# Altium PCB 2CH_PM_Simulator.PcbDoc (part 2 of 4) (continued)
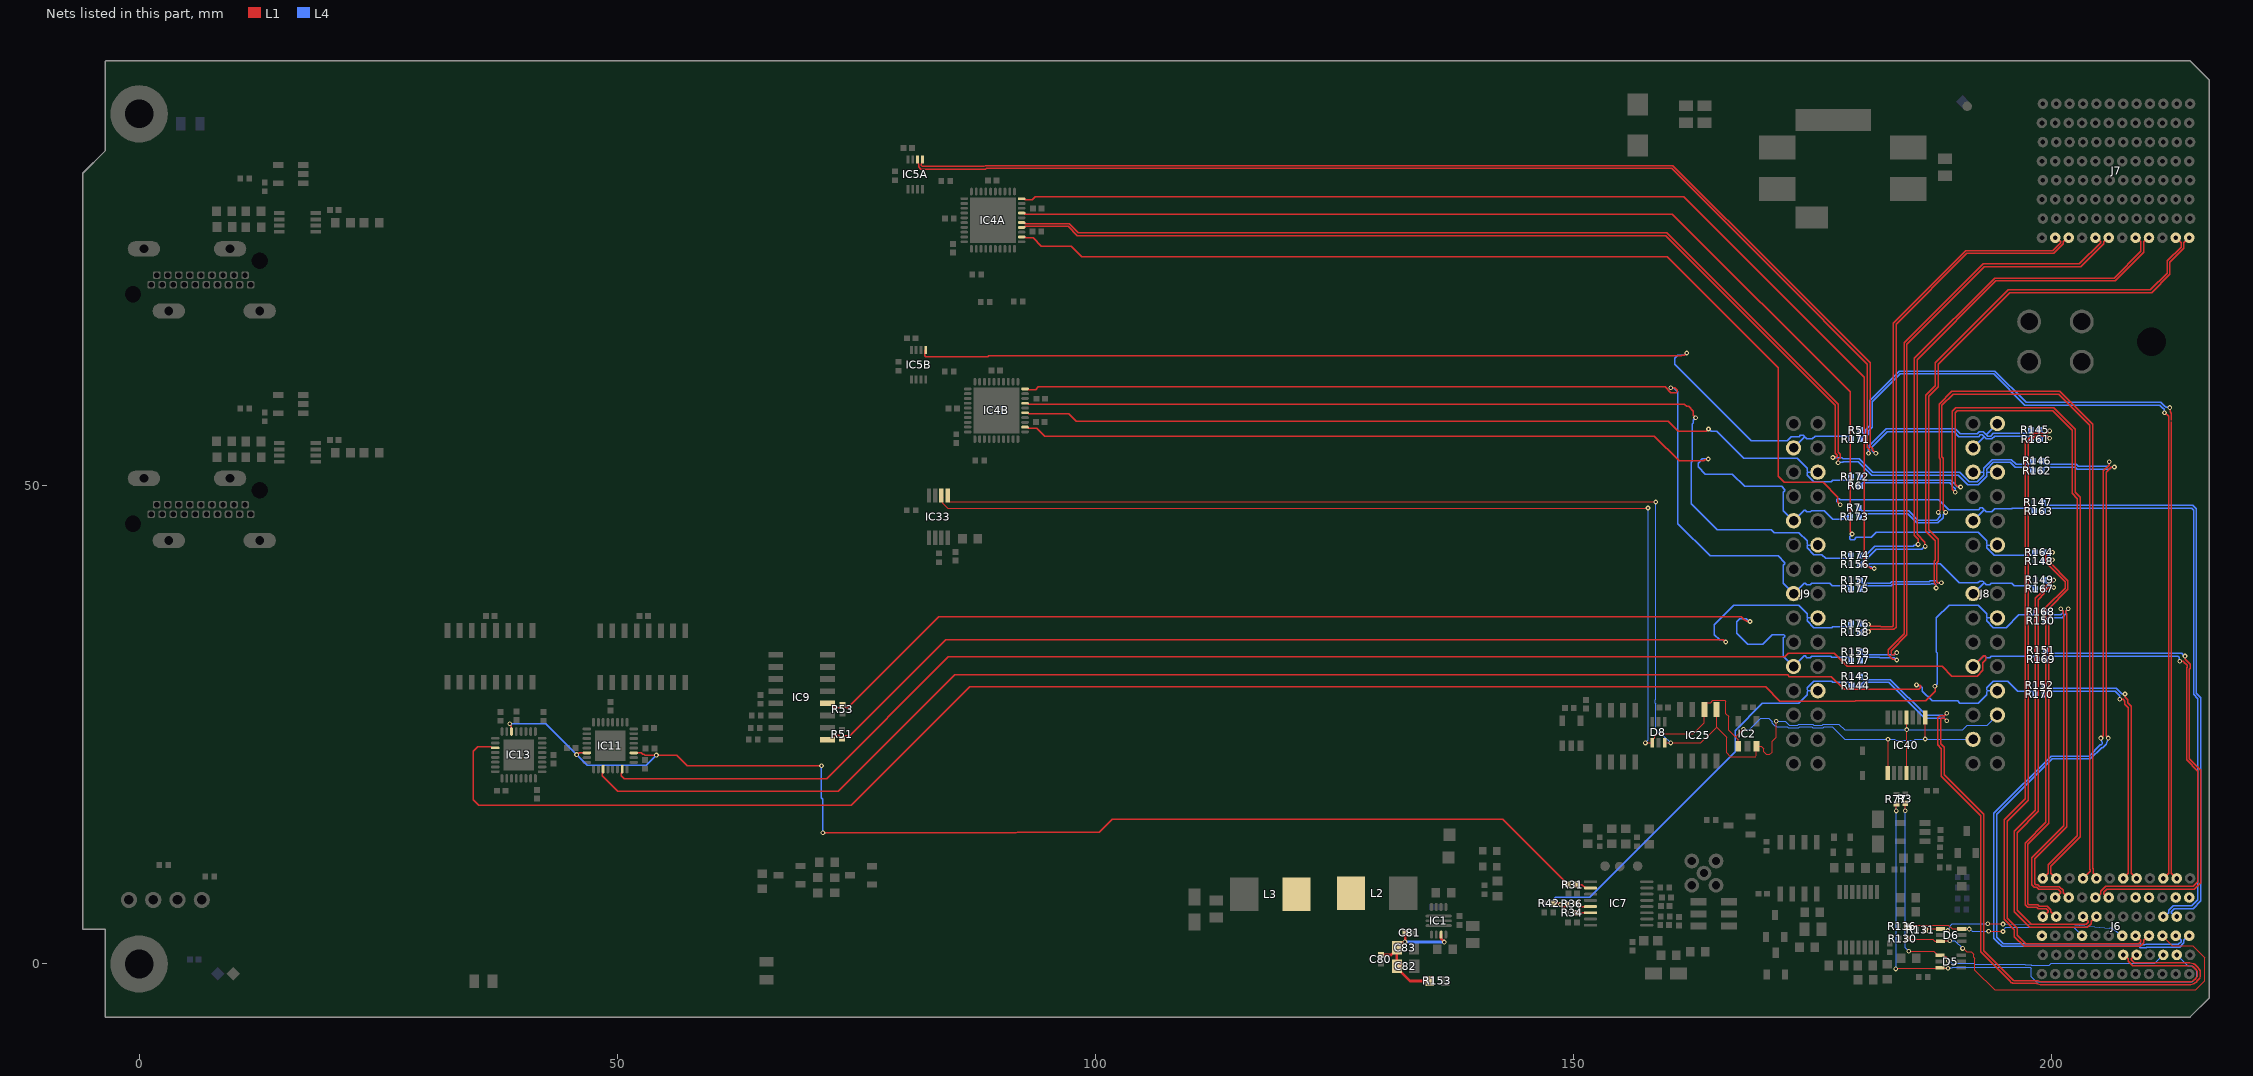
[diagram p4: the nets of this part, all layers, seen from the top]
## Part data (continued)
R119 R120: library part "R0805_10M_1%_0.125W_100PPM_VISHAY_CRCW e3", "Resistor - 1%", Case=0805, Manufacturer="VISHAY DALE", Manufacturer Part Number=CRCW080510M0FKEA, Power=0.125W, Tolerance=±1%, Author="CERN DEM BC", Component Type=Standard, ComponentHeight=0.5mm, CreateDate=2019-11-12, HelpURL="\\cern.ch\dfs\Applications\Altium\Datasheets\R0805_VISHAY_CRCW e3.pdf", LatestRevisionDate=2019-11-12, Mounted=Yes, Part Description="150V, Standard Thick Film Chip Resistor", Part Number="R0805_10M_1%_0.125W_100PPM_VISHAY_CRCW e3", Pin Count=2, PressFit=No, Sense=No, SMD=Yes, Socket=No, Status=None, TC=±100ppm/°C
R126: library part R0805_1M1_1%_0.125W_100PPM, "Resistor - 1%", Case=0805, Manufacturer=GENERIC, Manufacturer1 ComponentHeight=0.6mm, Manufacturer1 Example="NIC COMPONENT", Manufacturer1 Part Number=NRC10F1104TRF, Author="CERN DEM JLC", Component Type=Standard, CreateDate=03/12/2007, HelpURL=\\cern.ch\dfs\Applications\Altium\Datasheets\R0805_NIC_NRC.pdf, LatestRevisionDate=13/03/2008, Manufacturer Part Number=R0805_1M1_1%_0.125W_100PPM, Mounted=Yes, Part Description="General Purpose Thick Film Chip Resistor", Part Number=R0805_1M1_1%_0.125W_100PPM, Pin Count=2, PressFit=No, Sense=No, SMD=Yes, Socket=No, Status=Preferred
R153: library part R0603_38K3_0.1%_0.063W_10PPM, "Resistor - 0.1%", Case=0603, Manufacturer=GENERIC, Manufacturer1 ComponentHeight=0.5mm, Manufacturer1 Example="TYCO HOLSWORTHY", Manufacturer1 Part Number=RN73C1J38K3BTDF, Power=0.063W, Tolerance=±0.1%, Author="CERN DEM JLC", Component Type=Standard, CreateDate=03.12.2007, HelpURL=\\cern.ch\dfs\Applications\Altium\Datasheets\R0603_Tyco_RN73.pdf, LatestRevisionDate=13.03.2008, Manufacturer Part Number=R0603_38K3_0.1%_0.063W_10PPM, Mounted=Yes, Part Description="Thin Film Chip Resistor", Part Number=R0603_38K3_0.1%_0.063W_10PPM, Pin Count=2, PressFit=No, Sense=No, SMD=Yes, Socket=No, Status="Not Recommended", TC=±10ppm
R154: library part R0603_49K9_1%_0.1W_100PPM, "Resistor - 1%", Case=0603, Manufacturer=GENERIC, Manufacturer1 ComponentHeight=0.55mm, Manufacturer1 Example=VISHAY, Manufacturer1 Part Number=CRCW060349K9FKEA, Power=0.1W, Tolerance=±1%, Author="CERN DEM JLC", Component Type=Standard, CreateDate=16.11.2017, HelpURL="\\cern.ch\dfs\Applications\Altium\Datasheets\R0603_VISHAY_CRCW e3.pdf", LatestRevisionDate=16.11.2017, Manufacturer Part Number=R0603_49K9_1%_0.1W_100PPM, Mounted=Yes, Part Description="General Purpose Thick Film Chip Resistor", Part Number=R0603_49K9_1%_0.1W_100PPM, Pin Count=2, PressFit=No, Sense=No, SMD=Yes, Socket=No, Status=Preferred, TC=±100ppm/°C
R155: library part R0603_12K1_0.1%_0.063W_10PPM, "Resistor - 0.1%", Case=0603, Manufacturer=GENERIC, Manufacturer1 ComponentHeight=0.5mm, Manufacturer1 Example="TYCO HOLSWORTHY", Manufacturer1 Part Number=RN73C1J12K1BTDF, Power=0.063W, Tolerance=±0.1%, Author="CERN DEM JLC", Component Type=Standard, CreateDate=03.12.2007, HelpURL=\\cern.ch\dfs\Applications\Altium\Datasheets\R0603_Tyco_RN73.pdf, LatestRevisionDate=13.03.2008, Manufacturer Part Number=R0603_12K1_0.1%_0.063W_10PPM, Mounted=Yes, Part Description="Thin Film Chip Resistor", Part Number=R0603_12K1_0.1%_0.063W_10PPM, Pin Count=2, PressFit=No, Sense=No, SMD=Yes, Socket=No, Status="Not Recommended", TC=±10ppm
R225: library part R0402_1K_1%_0.0625W_100PPM, "Resistor - 1%", Case=0402, Manufacturer=GENERIC, Manufacturer1 ComponentHeight=0.4mm, Manufacturer1 Example="YAGEO PHYCOMP", Manufacturer1 Part Number=232270671002L, Power=0.0625W, Tolerance=±1%, Author="CERN DEM JLC", Component Type=Standard, CreateDate=03.12.2007, HelpURL=\\cern.ch\dfs\Applications\Altium\Datasheets\R0402_Phycomp_RC0402.pdf, LatestRevisionDate=17.10.2012, Manufacturer Part Number=R0402_1K_1%_0.0625W_100PPM, Mounted=Yes, Part Description="General Purpose Thick Film Chip Resistor", Part Number=R0402_1K_1%_0.0625W_100PPM, Pin Count=2, PressFit=No, Sense=No, SMD=Yes, Socket=No, Status="Not Recommended", TC=±100ppm/°C
T1 T2 T3 T4 T5 T6: "N-CHANNEL MOSFET WITH DIODE", Case=SOT23-3, Manufacturer="ON SEMICONDUCTOR", Manufacturer Part Number=BSS138L, Author="CERN DEM JLC", Bonding=No, Component Type=Standard, ComponentHeight=1.11mm, CreateDate=23.03.2009, Device=BSS138LT1G, HelpURL=\\cern.ch\dfs\Applications\Altium\Datasheets\BSS138LT1G.pdf, LatestRevisionDate=25.05.2022, Mounted=Yes, PackageDescription="SOT23, 0.95mm Pitch; 3 Pin, 1.40mm W X 3.00mm L X 1.10mm H body, IPC Medium Density", Part Description="50V, 200mA N-Channel Enhancement Mode Field-Effect Transistor", Part Number=BSS138LT1G, Pin Count=3, PressFit=No, Sense=No, SMD=Yes, Socket=No
TP2 TP3: library part SMD_PAD_1.27X1.27MM, "Test Point", Author="CERN DEM JLC", Component Type="Standard (No BOM)", ComponentHeight=0mm, CreateDate=12.01.2008, Family="Test Point", HelpURL=Undefined, LatestRevisionDate=12.01.2008, Mounted=No, PackageDescription="1.27mm x 1.27mm PCB Copper Area (SMD Test Point)", Part Description="1.27mm x 1.27mm PCB Copper Area (SMD Test Point)", Part Number=SMD_PAD_1.27X1.27MM, Pin Count=1, Sense=No, SMD=Yes, Socket=No, Status=None
TR1: library part XFMR_MINI-CIRCUITS_TCM2-1T, "50 Ohms 3 to 300MHz RF Transformer", Manufacturer=MINI-CIRCUITS, Manufacturer Part Number=TCM2-1T, Power=0.25W, Author="CERN DEM HF", Component Type=Standard, ComponentHeight=4.06mm, CreateDate=30.05.2023, HelpURL=\\cern.ch\dfs\Applications\Altium\Datasheets\XFMR_MINI-CIRCUITS_TCM2-1T.pdf, LatestRevisionDate=30.05.2023, Mounted=Yes, Part Description="50 Ohms 3 to 300MHz RF Transformer", Part Number=XFMR_MINI-CIRCUITS_TCM2-1T, Pin Count=6, Sense=No, SMD=Yes, Socket=No, Status=None

## Via types
v1: diameter 0.5, hole 0.25, L1 to L4, tented both sides, 491 vias
v2: diameter 1, hole 0.45, L1 to L4, tented both sides, 26 vias

## Nets (pads, with @x,y where several pads share a name; then routed paths per layer and width w, separated by ;. In a path a pad name is that pad's centre, name@x,y a point inside that pad or via, vN(x,y) a via of type N, cw(c..) or ccw(c..) an arc to the next point about the centre after c; other vN are vias at no path point)
3V3: C80.2 C81.2 C82.2 C83.2 IC1.6 L2.2 L3.1 R153.2 | length 15.4
  L1 w0.3: C80.2@129.845,0.933 130.916,0.933 C83.2@131.51,1.527 ; C81.2@132.417,3.277 132.388,3.248 132.388,2.34 v1(132.359,2.311) 132.321,2.273 132.082,2.273 132.06,2.252 131.885,2.252 131.51,1.877 C83.2@131.51,1.702 ; R153.2@134.963,-1.778 132.885,-1.778 131.536,-0.429 C82.2@131.536,-0.254 131.51,-0.229 C83.2@131.51,1.527 ; IC1.6@136.14,3.063 136.14,2.672 136.467,2.344 v1(136.467,2.29) ; C83.2@131.51,1.527 C83.2@131.51,1.702 ; C83.2@131.51,1.527 C83.2@131.51,1.702
  L4 w0.3: v1(132.359,2.311) 132.37,2.301 136.457,2.301 v1(136.467,2.29)
BGA0: D6.3 J6.C3 R130.2 | length 42.5
  L1 w0.125: R130.2@184.912,2.642 184.971,2.583 187.561,2.583 187.772,2.373 D6.3@188.384,2.373 188.45,2.438 v1(189.332,2.438) ; v1(190.678,1.626) 190.755,1.626 191.11,1.27 191.225,1.27 191.232,1.278 191.596,1.278 191.854,1.02 191.854,0.703 191.973,0.584 191.973,-0.635 194.024,-2.685 208.768,-2.685 208.793,-2.71 215.044,-2.71 216.007,-1.748 216.007,0.655 214.757,1.905 212.614,1.905 J6.C3@211.569,2.95
  L4 w0.125: v1(189.332,2.438) 189.337,2.433 189.871,2.433 v1(190.678,1.626)
BGA1: D6.1 J6.F3 R131.2 | length 21.4
  L1 w0.125: R131.2@186.779,3.556 186.896,3.673 D6.1@188.384,3.673 188.521,3.535 189.101,3.535 v1(189.135,3.501) ; v1(193.318,4.2) 193.336,4.183 194.887,4.183 v1(194.905,4.166)
  L4 w0.125: v1(189.135,3.501) 189.135,3.602 189.372,3.839 189.372,3.971 189.592,4.191 193.309,4.191 v1(193.318,4.2) ; v1(194.905,4.166) 202.386,4.089 202.391,4.089 206.041,3.759 cw(c205.969,2.95) 206.441,3.612 J6.F3@207.369,2.95
BGA2: D6.6 J6.I3 R136.2 | length 19.4
  L1 w0.125: R136.2@184.849,3.937 185.352,3.937 185.477,4.062 189.196,4.062 189.585,3.673 D6.6@190.584,3.673 190.607,3.65 v1(191.364,3.65) ; v1(193.396,3.429) 193.408,3.416 194.879,3.416 v1(194.905,3.391)
  L4 w0.125: v1@191.435,3.722 v1(191.364,3.65) 191.451,3.65 191.672,3.429 v1(193.396,3.429) ; v1(194.905,3.391) 195.128,3.764 195.201,3.837 202.282,3.837 J6.I3@203.169,2.95
BGA3: J6.L3
BP_I2C.SCL: D5.3 J6.B2 R77.1 | length 53.7
  L1 w0.125: v1(183.69,-0.519) 183.752,-0.457 188.272,-0.457 D5.3@188.333,-0.396 188.376,-0.439 v1(189.15,-0.439) ; v1(183.744,16.002) R77.1@183.744,16.777
  L4 w0.125: v1(183.69,-0.519) 183.718,-0.491 183.718,15.977 v1(183.744,16.002) ; v1(189.15,-0.439) 189.171,-0.418 189.588,-0.418 189.65,-0.356 191.174,-0.356 191.207,-0.322 191.571,-0.322 191.604,-0.356 197.739,-0.356 197.866,-0.483 197.866,-1.355 198.374,-1.863 214.706,-1.863 215.182,-1.387 215.182,-0.713 214.706,-0.238 214.69,-0.238 214.655,-0.203 214.222,-0.203 J6.B2@213.069,0.95
BP_I2C.SDA: D5.1 J6.C2 R3.1 | length 43.4
  L1 w0.125: v1(184.683,16.027) R3.1@184.683,16.802 ; v1(185.039,1.321) 187.641,1.321 188.058,0.904 D5.1@188.333,0.904 188.42,0.817 188.921,0.817 189.009,0.729 189.009,0.613 189.185,0.437 v1(189.185,0.335)
  L4 w0.125: v1(184.683,16.027) 184.696,16.015 184.696,1.685 185.039,1.342 v1(185.039,1.321) ; v1(189.185,0.335) 189.286,0.335 189.545,0.076 189.662,0.076 191.82,0.076 191.945,-0.049 197.173,-0.049 197.224,-0.1 197.839,-0.1 197.854,-0.115 199.761,-0.115 199.952,0.076 210.795,0.076 J6.C2@211.669,0.95
BP_IO.LVDS_N0: J6.E3 R161.1 | length 70.9
  L1 w0.14: v1(199.771,54.966) 199.746,54.966 199.509,55.203 199.018,55.203 198.999,55.222 198.318,55.222 197.531,54.435 197.531,17.14 195.326,14.935 195.326,4.801 196.401,3.726 196.401,2.992 197.263,2.13 209.109,2.13 209.319,2.34 209.319,2.456 208.825,2.95 J6.E3@208.769,2.95
  L4 w0.14: R161.1@198.819,54.889 199.039,55.109 199.039,55.153 199.121,55.235 199.477,55.235 199.746,54.966 v1(199.771,54.966)
BP_IO.LVDS_N1: J6.B3 R162.1 | length 85.5
  L1 w0.14: v1(205.918,23.622) 205.918,23.647 205.68,23.884 205.68,51.432 206.2,51.951 206.535,51.951 v1(206.553,51.968)
  L4 w0.14: 194.586,2.493 194.259,2.819 194.259,15.646 194.586,15.973 ; 194.586,2.492 194.588,2.491 194.949,2.13 209.273,2.13 209.396,2.007 209.742,2.007 209.805,2.07 213.249,2.07 213.519,2.34 213.519,2.456 213.025,2.95 J6.B3@212.969,2.95 ; 194.586,15.974 200.05,21.438 204.031,21.438 205.216,22.622 205.344,22.622 205.605,22.883 205.687,22.965 v1(205.918,23.622) ; R162.1@198.946,51.587 199.166,51.807 199.166,51.863 199.248,51.945 202.454,51.945 202.643,51.756 206.005,51.756 206.2,51.951 206.535,51.951 v1(206.553,51.968)
BP_IO.LVDS_N2: J6.C4 R163.1 | length 61.4
  L4 w0.14: R163.1@199.098,47.346 199.318,47.566 199.318,47.589 199.4,47.671 206.809,47.671 206.814,47.666 214.63,47.666 214.833,47.462 214.833,28.183 215.289,27.727 215.289,6.71 214.649,6.07 212.69,6.07 212.219,5.599 212.219,5.359 211.81,4.95 J6.C4@211.669,4.95
BP_IO.LVDS_N3: J6.L4 R164.1 | length 44.7
  L1 w0.14: J6.L4@199.069,4.95 199.125,4.95 199.619,5.444 199.619,5.56 199.422,5.757 198.578,5.757 198.417,5.918 197.468,5.918 197.21,6.176 197.21,12.646 199.38,14.816 199.38,37.277 201.397,39.294 201.397,39.958 199.355,41.999 199.355,42.703 199.624,42.972 200.007,42.972 v1(200.076,43.041)
  L4 w0.14: R164.1@199.149,43.053 199.149,43.033 199.449,42.733 199.744,42.733 200.051,43.041 v1(200.076,43.041)
BP_IO.LVDS_N4: J6.I4 R167.1 | length 45.9
  L1 w0.14: v1(200.203,39.363) v1(200.203,39.363) 199.673,39.362 199.238,38.928 199.238,38.74 198.598,38.1 198.598,15.972 196.367,13.741 196.367,5.611 197.848,4.13 203.609,4.13 203.819,4.34 203.819,4.456 203.325,4.95 J6.I4@203.269,4.95
  L4 w0.14: R167.1@199.2,39.218 199.2,39.238 199.499,39.538 199.824,39.538 ; 199.825,39.538 199.941,39.538 200.115,39.363 v1(200.203,39.363)
BP_IO.LVDS_N5: J6.K5 R168.1 | length 37.2
  L1 w0.14: J6.K5@200.369,6.95 200.425,6.95 200.919,7.444 200.919,7.56 200.68,7.799 198.637,7.799 198.434,8.001 198.179,8.001 197.922,8.259 197.922,11.122 201.27,14.47 201.27,36.505 201.177,36.598 201.177,36.873 200.939,37.11 v1(200.939,37.135)
  L4 w0.14: R168.1@199.327,36.83 199.327,36.81 199.626,36.51 200.965,36.51 201.177,36.722 201.177,36.873 200.939,37.11 v1(200.939,37.135)
BP_IO.LVDS_N6: J6.H5 R169.1 | length 50.2
  L1 w0.14: J6.H5@204.569,6.95 204.71,6.95 205.119,7.359 205.119,7.599 205.643,8.123 214.802,8.123 215.289,8.61 215.289,20.154 214.097,21.346 214.097,30.968 214.162,31.034 214.162,31.216 213.942,31.436 213.933,31.436 213.739,31.631 213.403,31.631 v1(213.385,31.648)
  L4 w0.14: R169.1@199.377,31.852 199.377,31.872 199.677,32.172 212.616,32.172 212.634,32.19 213.177,32.19 213.317,32.05 213.317,31.717 v1(213.385,31.648)
BP_IO.LVDS_N7: J6.F6 R170.1 | length 28.1
  L1 w0.14: v1(207.114,27.688) 207.131,27.671 207.467,27.671 207.648,27.49 207.648,27.18 208.019,26.809 208.019,18.508 208.019,9.5 J6.F6@207.469,8.95
  L4 w0.14: R170.1@199.2,28.194 199.2,28.214 199.499,28.514 206.624,28.514 207.096,28.041 207.096,27.705 v1(207.114,27.688)
BP_IO.LVDS_N8: J6.C6 R171.1 | length 87.4
  L1 w0.14: J6.C6@211.669,8.95 212.219,9.5 212.219,32.808 212.219,56.842 212.219,57.253 211.84,57.633 v1(211.785,57.633)
  L4 w0.14: R171.1@179.972,54.889 179.972,54.909 180.272,55.209 180.596,55.209 180.854,55.467 180.854,55.736 181.254,56.137 181.254,58.776 184.175,61.697 193.937,61.697 197.188,58.445 211.277,58.445 211.63,58.093 211.661,58.093 211.768,57.986 211.768,57.65 v1(211.785,57.633)
BP_IO.LVDS_N9: J6.L6 R172.1 | length 81
  L1 w0.14: v1(190.464,49.875) 190.395,49.944 190.115,49.944 189.889,50.17 189.889,57.656 190.094,57.861 200.101,57.861 202.159,55.804 202.159,49.203 202.692,48.669 202.692,13.429 199.619,10.356 199.619,9.5 J6.L6@199.069,8.95
  L4 w0.14: R172.1@179.946,50.927 179.946,50.907 180.246,50.607 189.452,50.607 189.9,50.159 189.9,50.103 190.111,49.892 190.446,49.892 v1(190.464,49.875)
BP_IO.LVDS_N10: J6.I6 R173.1 | length 86.6
  L1 w0.14: v1(188.9,47.219) 188.9,47.243 188.662,47.481 188.662,52.891 188.512,53.041 188.512,58.414 189.687,59.588 200.711,59.588 203.967,56.332 203.967,9.907 204.038,9.835 204.038,9.719 J6.I6@203.269,8.95
  L4 w0.14: R173.1@179.845,46.761 180.065,46.981 180.065,47.002 180.147,47.084 182.407,47.084 182.41,47.081 184.923,47.081 185.882,46.123 188.104,46.123 188.662,46.681 188.662,46.957 188.9,47.194 v1(188.9,47.219)
BP_IO.LVDS_N11: J7.E1 R174.1 | length 56.4
  L1 w0.14: v1(186.022,43.878) 186.029,43.885 186.029,44.408 185.628,44.809 185.628,63.319 194.038,71.73 206.525,71.73 209.319,74.524 209.319,75.263 209.319,75.503 208.872,75.95 J7.E1@208.769,75.95
  L4 w0.14: R174.1@179.934,42.723 180.136,42.521 180.352,42.521 181.503,43.672 185.492,43.672 185.628,43.809 185.953,43.809 v1(186.022,43.878)
BP_IO.LVDS_N12: J7.B1 R175.1 | length 65.8
  L1 w0.14: v1(187.909,39.319) 187.892,39.337 187.892,39.672 187.697,39.867 187.697,42.101 187.836,42.24 187.836,44.277 186.847,45.266 186.847,59.484 187.836,60.473 187.836,62.86 195.461,70.485 210.312,70.485 212.065,72.238 212.065,73.517 213.519,74.971 213.519,75.4 J7.B1@212.969,75.95
  L4 w0.14: R175.1@179.946,39.218 179.946,39.238 180.234,39.525 183.222,39.525 183.389,39.692 187.311,39.692 187.399,39.779 187.785,39.779 187.892,39.672 187.892,39.337 v1(187.909,39.319)
BP_IO.LVDS_N13: J7.K1 R176.1 | length 57.3
  L1 w0.14: v1(180.823,35.535) 180.847,35.535 181.085,35.297 182.106,35.297 182.125,35.278 183.336,35.278 183.418,35.36 183.418,67.002 191.011,74.595 200.089,74.595 200.919,75.425 200.919,75.541 200.51,75.95 J7.K1@200.369,75.95
  L4 w0.14: R176.1@179.946,35.585 179.946,35.565 180.215,35.297 180.561,35.297 180.798,35.535 v1(180.823,35.535)
BP_IO.LVDS_N14: J7.H1 R177.1 | length 64.2
  L1 w0.14: v1(183.794,31.788) 183.726,31.857 183.36,31.857 182.902,32.315 182.902,32.868 184.561,34.528 184.561,64.945 192.814,73.198 202.892,73.198 205.119,75.425 205.119,75.541 204.71,75.95 J7.H1@204.569,75.95
  L4 w0.14: R177.1@179.972,31.75 179.972,31.77 180.259,32.057 182.003,32.057 182.035,32.025 183.532,32.025 183.77,31.788 v1(183.794,31.788)
BP_IO.LVDS_N15: J6.F2 R144.2 | length 70.7
  L1 w0.14: v1(189.027,25.438) 189.002,25.438 188.765,25.675 188.456,25.675 188.383,25.602 188.383,23.023 188.766,22.64 188.766,19.761 192.882,15.645 192.882,8.751 192.872,8.742 192.872,4.386 192.871,4.385 192.871,4.015 192.872,4.014 192.872,1.387 195.862,-1.603 ; 195.863,-1.604 195.95,-1.691 ccw(c196.049,-1.592) 196.049,-1.732 198.396,-1.732 cw(c198.396,-2.172) 198.595,-1.78 ; 198.596,-1.78 ccw(c198.969,-1.05) 198.969,-1.87 214.369,-1.87 ccw(c214.369,-1.05) 214.998,-1.576 215.112,-1.44 215.182,-1.357 ccw(c215.074,-1.267) 215.214,-1.267 215.214,-0.787 ccw(c215.074,-0.787) 215.173,-0.688 215.086,-0.601 ; J6.F2@207.469,0.95 207.61,0.95 208.019,0.541 208.019,0.301 208.493,-0.173 214.33,-0.173 214.718,-0.262 cw(c214.686,-0.399) 214.784,-0.299 215.085,-0.6
  L4 w0.14: R144.2@179.997,29.108 180.217,29.328 180.217,29.362 180.299,29.444 182.977,29.444 186.736,25.684 188.481,25.684 188.49,25.675 188.765,25.675 189.002,25.438 v1(189.027,25.438)
BP_IO.LVDS_P0: J6.D3 R145.1 | length 72.4
  L1 w0.14: v1(199.771,55.741) 199.746,55.741 199.509,55.503 199.142,55.503 199.123,55.522 198.194,55.522 197.231,54.559 197.231,17.264 195.026,15.059 195.026,4.676 196.101,3.602 196.101,2.868 197.139,1.83 209.233,1.83 209.619,2.216 209.619,2.456 210.113,2.95 J6.D3@210.169,2.95
  L4 w0.14: R145.1@198.755,55.855 198.755,55.835 199.055,55.535 199.509,55.535 199.714,55.741 v1(199.771,55.741)
BP_IO.LVDS_P1: J6.A3 R146.1 | length 86.5
  L1 w0.14: v1(205.143,23.622) 205.143,23.647 205.38,23.884 205.38,51.556 205.987,52.163 205.987,52.499 v1(206.005,52.516)
  L4 w0.14: 194.374,2.281 193.959,2.695 193.959,15.771 194.374,16.185 ; 194.374,2.28 194.824,1.83 209.149,1.83 209.272,1.707 209.866,1.707 209.929,1.77 213.373,1.77 213.819,2.216 213.819,2.456 214.313,2.95 J6.A3@214.369,2.95 ; 194.374,16.186 199.926,21.738 203.906,21.738 205.091,22.922 205.207,22.922 205.289,23.004 205.289,23.12 v1(205.143,23.622) ; R146.1@198.946,52.603 199.166,52.383 199.166,52.327 199.248,52.245 202.579,52.245 202.768,52.056 205.881,52.056 205.987,52.163 205.987,52.499 v1(206.005,52.516)
BP_IO.LVDS_P2: J6.B4 R147.1 | length 61.9
  L4 w0.14: R147.1@199.073,48.285 199.073,48.265 199.367,47.971 206.933,47.971 206.938,47.965 214.754,47.965 215.133,47.587 215.133,28.307 215.589,27.851 215.589,6.586 214.773,5.77 212.814,5.77 212.519,5.475 212.519,5.359 212.928,4.95 J6.B4@213.069,4.95
BP_IO.LVDS_P3: J6.K4 R148.1 | length 43.5
  L1 w0.14: v1(200.076,42.266) 200.007,42.334 200.007,42.12 199.891,42.004 199.891,41.888 201.697,40.082 201.697,39.17 199.68,37.153 199.68,14.691 197.51,12.522 197.51,6.3 197.592,6.218 198.541,6.218 198.702,6.057 199.546,6.057 199.919,5.684 199.919,5.444 200.413,4.95 J6.K4@200.469,4.95
  L4 w0.14: R148.1@199.149,42.113 199.149,42.133 199.449,42.433 199.814,42.433 199.981,42.266 v1(200.076,42.266)
BP_IO.LVDS_P4: J6.H4 R149.1 | length 47.7
  L1 w0.14: v1(200.212,40.138) 200.194,40.138 199.878,39.822 199.708,39.822 198.938,39.052 198.938,38.865 198.298,38.224 198.298,16.096 196.067,13.866 196.067,5.486 197.724,3.83 203.733,3.83 204.119,4.216 204.119,4.456 204.613,4.95 J6.H4@204.669,4.95
  L4 w0.14: R149.1@199.2,40.157 199.2,40.137 199.499,39.837 199.7,39.837 ; 199.7,39.838 199.888,39.838 200.188,40.138 v1(200.212,40.138)
BP_IO.LVDS_P5: J6.J5 R150.1 | length 37.6
  L1 w0.14: v1(201.714,37.135) 201.714,37.11 201.477,36.873 201.477,36.722 201.57,36.629 201.57,14.346 198.222,10.998 198.222,8.383 198.304,8.301 198.558,8.301 198.761,8.099 200.804,8.099 201.219,7.684 201.219,7.444 201.713,6.95 J6.J5@201.769,6.95
  L4 w0.14: R150.1@199.327,35.89 199.327,35.91 199.626,36.21 201.089,36.21 201.477,36.598 201.477,36.873 201.714,37.11 v1(201.714,37.135)
BP_IO.LVDS_P6: J6.G5 R151.1 | length 50.7
  L1 w0.14: J6.G5@205.969,6.95 205.828,6.95 205.419,7.359 205.419,7.475 205.767,7.823 214.926,7.823 215.589,8.486 215.589,20.278 214.397,21.47 214.397,30.844 214.462,30.91 214.462,31.34 214.066,31.736 214.058,31.736 213.951,31.843 213.951,32.179 v1(213.933,32.196)
  L4 w0.14: R151.1@199.377,32.791 199.377,32.771 199.677,32.471 212.491,32.471 212.51,32.49 213.576,32.49 213.87,32.196 v1(213.933,32.196)
BP_IO.LVDS_P7: J6.E6 R152.1 | length 28.6
  L1 w0.14: v1(207.662,28.236) 207.679,28.219 207.679,27.883 207.948,27.614 207.948,27.304 208.319,26.933 208.319,18.384 208.319,9.5 J6.E6@208.869,8.95
  L4 w0.14: R152.1@199.2,29.134 199.2,29.114 199.499,28.814 206.748,28.814 207.308,28.253 207.644,28.253 v1(207.662,28.236)
BP_IO.LVDS_P8: J6.B6 R5.1 | length 87.9
  L1 w0.14: v1(212.333,58.181) 212.374,58.14 212.374,57.721 212.519,57.575 212.519,56.842 ; 212.519,56.718 212.519,32.684 212.519,9.5 J6.B6@213.069,8.95
  L4 w0.14: R5.1@179.972,55.829 179.972,55.809 180.272,55.509 180.472,55.509 180.554,55.591 180.554,55.86 180.954,56.261 180.954,58.9 184.051,61.997 194.061,61.997 197.312,58.745 211.401,58.745 211.754,58.393 211.785,58.393 211.98,58.198 212.316,58.198 v1(212.333,58.181)
BP_IO.LVDS_P9: J6.K6 R6.1 | length 82
  L1 w0.14: v1(189.916,49.327) 189.589,49.654 189.589,57.78 189.969,58.161 200.225,58.161 202.459,55.928 202.459,49.327 202.992,48.793 202.992,13.305 199.919,10.232 199.919,9.5 J6.K6@200.469,8.95
  L4 w0.14: R6.1@179.946,49.987 179.946,50.007 180.246,50.307 189.328,50.307 189.6,50.035 189.6,49.979 189.898,49.68 189.898,49.344 v1(189.916,49.327)
BP_IO.LVDS_P10: J6.H6 R7.1 | length 86.9
  L1 w0.14: v1(188.125,47.219) 188.125,47.243 188.362,47.481 188.362,52.767 188.212,52.917 188.212,58.538 189.563,59.888 200.835,59.888 204.267,56.457 204.267,10.031 204.338,9.96 204.338,9.512 204.669,9.181 J6.H6@204.669,8.95
  L4 w0.14: R7.1@179.832,47.701 179.832,47.681 180.129,47.384 182.531,47.384 182.534,47.381 185.047,47.381 186.006,46.423 187.979,46.423 188.362,46.806 188.362,46.957 188.125,47.194 v1(188.125,47.219)
BP_IO.LVDS_P11: J7.D1 R156.1 | length 57.7
  L1 w0.14: v1(186.766,43.663) 186.738,43.691 186.738,44.123 185.928,44.933 185.928,63.195 194.162,71.43 206.649,71.43 209.619,74.399 209.619,75.387 209.619,75.503 210.066,75.95 J7.D1@210.169,75.95
  L4 w0.14: R156.1@179.934,41.783 179.934,41.803 180.352,42.221 180.476,42.221 181.627,43.372 186.406,43.372 186.697,43.663 v1(186.766,43.663)
BP_IO.LVDS_P12: J7.A1 R157.1 | length 65.8
  L1 w0.14: v1(188.457,39.867) 188.44,39.885 188.104,39.885 187.997,39.991 187.997,41.977 188.136,42.116 188.136,44.401 187.147,45.39 187.147,59.36 188.136,60.348 188.136,62.736 195.585,70.185 210.436,70.185 212.365,72.113 212.365,73.392 213.819,74.847 213.819,75.4 J7.A1@214.369,75.95
  L4 w0.14: R157.1@179.946,40.132 179.946,40.112 180.234,39.825 183.098,39.825 183.265,39.992 187.187,39.992 187.274,40.079 187.909,40.079 188.104,39.885 188.44,39.885 v1(188.457,39.867)
BP_IO.LVDS_P13: J7.J1 R158.1 | length 57.8
  L1 w0.14: v1(180.823,34.76) 180.847,34.76 181.085,34.997 181.982,34.997 182.001,34.978 183.46,34.978 183.718,35.236 183.718,66.878 191.135,74.295 200.213,74.295 201.219,75.301 201.219,75.541 201.628,75.95 J7.J1@201.769,75.95
  L4 w0.14: R158.1@179.946,34.671 179.946,34.691 180.252,34.997 180.561,34.997 180.798,34.76 v1(180.823,34.76)
BP_IO.LVDS_P14: J7.G1 R159.1 | length 63.7
  L1 w0.14: v1(183.794,32.563) 183.697,32.563 183.491,32.357 183.284,32.357 183.202,32.439 183.202,32.744 184.861,34.404 184.861,64.821 192.938,72.898 203.016,72.898 205.419,75.301 205.419,75.541 205.828,75.95 J7.G1@205.969,75.95
  L4 w0.14: R159.1@179.972,32.664 179.972,32.644 180.259,32.357 182.127,32.357 182.159,32.325 183.532,32.325 183.77,32.563 v1(183.794,32.563)
BP_IO.LVDS_P15: J6.E2 R143.2 | length 72.1
  L1 w0.14: v1(189.027,26.213) 189.002,26.213 188.765,25.975 188.332,25.975 188.083,25.726 188.083,22.898 188.466,22.516 188.466,19.637 192.582,15.521 192.582,8.876 192.572,8.866 192.572,4.51 192.571,4.51 192.571,3.891 192.572,3.89 192.572,1.263 195.65,-1.815 ; 195.651,-1.816 195.738,-1.903 ccw(c196.049,-1.592) 196.049,-2.032 198.396,-2.032 cw(c198.396,-2.172) 198.459,-2.047 ccw(c198.969,-1.05) 198.969,-2.17 214.369,-2.17 ccw(c214.369,-1.05) 215.228,-1.769 215.342,-1.633 ccw(c215.112,-1.44) 215.343,-1.632 215.412,-1.549 ccw(c215.074,-1.267) 215.514,-1.267 215.514,-0.787 ccw(c215.074,-0.787) 215.385,-0.476 215.298,-0.389 ; J6.E2@208.869,0.95 208.728,0.95 208.319,0.541 208.319,0.425 208.617,0.127 214.364,0.127 214.413,0.116 214.785,0.03 cw(c214.686,-0.399) 214.99,-0.081 cw(c214.784,-0.299) 214.996,-0.087 215.297,-0.388
  L4 w0.14: R143.2@179.985,30.074 180.205,29.854 180.205,29.826 180.287,29.744 183.101,29.744 186.86,25.984 188.605,25.984 188.614,25.975 188.765,25.975 189.002,26.213 v1(189.027,26.213)
BP_MGT_Rx_N: J6.E5
BP_MGT_Rx_P: J6.D5
BP_MGT_Tx_N: J6.B5
BP_MGT_Tx_P: J6.A5
CLK1: IC7.10 R31.1 | length 1.6
  L1 w0.14: R31.1@150.355,8.306 150.855,8.306 151.212,7.95 IC7.10@151.761,7.95
CLK_x4_N: IC7.13 R36.1 | length 1.6
  L1 w0.14: R36.1@150.305,6.299 150.305,6.279 150.584,6 IC7.13@151.761,6
CLK_x4_P: IC7.14 R34.1 | length 1.5
  L1 w0.14: R34.1@150.305,5.359 150.314,5.35 IC7.14@151.761,5.35
CLKx2_IN: IC11.6 IC11.19 IC13.6 R31.2 | length 128.2
  L1 w0.14: v1(38.76,25.121) 38.76,25.023 38.906,24.877 38.906,24.336 IC13.6@38.937,24.306 ; v1(45.745,21.894) 45.843,21.894 46.03,22.081 IC11.6@46.814,22.081 ; IC11.19@51.714,22.081 52.517,22.081 52.67,21.928 52.8,21.928 52.892,21.836 54.084,21.836 v1(54.091,21.843) ; v1@54.091,21.827 56.201,21.827 57.302,20.726 v1(71.349,20.726) ; v1(71.501,13.722) 91.739,13.722 91.809,13.792 100.391,13.792 101.752,15.153 142.568,15.153 149.175,8.546 149.195,8.546 149.415,8.326 R31.2@149.415,8.306
  L4 w0.14: v1(38.76,25.121) 42.518,25.121 v1(45.745,21.894) 46.862,20.777 53.025,20.777 v1(54.091,21.843) ; v1(71.349,20.726) 71.349,17.37 71.501,17.218 v1(71.501,13.722)
EEM0_I2C.SCL: D8.1 IC2.1 IC25.6 IC33.2 IC40.1 IC40.8 J8.27 | length 149
  L1 w0.125: IC33.2@83.888,48.987 84.05,48.825 84.05,48.157 84.531,47.676 v1(157.785,47.676) ; v1(157.505,23.114) 158.209,23.114 D8.1@158.227,23.132 158.227,23.407 158.487,23.667 158.487,23.791 158.775,24.079 162.509,24.079 163.678,25.248 IC25.6@163.678,26.627 163.678,27.102 163.915,27.339 164.317,27.339 164.569,27.591 165.797,27.591 165.913,27.476 165.913,26.187 166.218,25.883 166.218,24.46 166.967,23.711 ; IC2.1@167.223,22.779 167.223,23.454 166.967,23.711 ; v1(167.762,24.537) 166.967,23.742 166.967,23.711 ; IC40.8@182.86,19.985 182.88,20.005 182.88,23.495 v1(182.879,23.497) ; IC40.1@186.76,25.785 186.766,25.78 v1(186.766,23.52)
  L4 w0.125: v1(157.505,23.114) 157.505,23.174 157.785,23.453 v1(157.785,47.676) ; v1(167.762,24.537) 168.403,24.537 169.545,25.679 170.383,25.679 170.756,25.306 170.756,25.193 171.014,24.935 171.128,24.935 171.247,24.816 172.357,24.816 172.458,24.715 173.547,24.715 173.649,24.816 174.897,24.816 174.998,24.715 176.087,24.715 176.189,24.816 177.038,24.816 178.364,23.49 182.872,23.49 v1(182.879,23.497) ; v1@182.88,23.49 183.559,23.49 183.638,23.411 185.627,23.411 185.706,23.49 J8.27@191.773,23.49
EEM0_I2C.SDA: D8.3 IC2.3 IC25.5 IC33.1 IC40.4 IC40.11 J8.26 | length 151.8
  L1 w0.125: IC33.1@84.538,48.987 84.538,48.473 84.7,48.311 v1(158.598,48.311) ; D8.3@159.527,23.132 159.545,23.114 163.297,23.114 164.948,24.765 ; IC25.5@164.948,26.627 164.948,24.765 ; v1(171.196,25.375) 171.196,23.698 170.785,23.287 170.785,22.163 170.528,21.906 170.163,21.906 169.887,22.182 169.887,22.503 169.611,22.779 IC2.3@169.123,22.779 169.123,21.765 169.05,21.692 166.395,21.692 166.014,22.073 166.014,23.701 165.941,23.774 165.938,23.774 164.948,24.765 ; IC40.11@184.81,19.985 184.836,20.011 v1(184.836,24.511) 184.836,25.76 IC40.4@184.81,25.785
  L4 w0.125: v1(158.598,48.311) 158.598,27.698 158.539,27.639 158.539,27.275 158.598,27.217 158.598,24.536 159.273,23.861 159.4,23.861 v1(160.147,23.114) ; v1(171.196,25.375) 172.155,25.375 172.563,24.967 173.443,24.967 173.544,25.068 175.002,25.068 175.103,24.967 175.983,24.967 176.084,25.068 177.751,25.068 178.333,24.486 190.678,24.486 191.16,24.968 193.25,24.968 J8.26@194.313,26.03
EEM_IO.LVDS_N0: IC5A.5 J8.3 R161.2 | length 138.8
  L1 w0.14: IC5A.5@81.896,84.11 81.816,84.03 81.816,83.693 81.796,83.673 81.796,83.475 81.878,83.393 88.382,83.393 88.479,83.49 160.376,83.49 171.708,72.158 181.021,62.844 181.021,54.161 181.303,53.879 181.303,53.746 181.608,53.441 v1(181.608,53.416)
  L4 w0.14: v1(181.608,53.416) 181.511,53.416 181.249,53.678 181.216,53.678 181.216,54.071 182.792,55.647 189.793,55.647 190.3,55.14 192.34,55.14 192.543,55.343 192.728,55.343 192.879,55.192 192.879,55.14 ; J8.3@191.773,53.97 192.879,55.076 192.879,55.14 ; R161.2@197.879,54.889 197.879,54.909 197.579,55.209 195.678,55.209 195.669,55.2 194.03,55.2 193.736,54.906 193.165,54.906 192.931,55.14 192.879,55.14
EEM_IO.LVDS_N1: IC4A.5 J8.6 R162.2 | length 123.8
  L1 w0.14: IC4A.5@92.281,77.525 92.574,77.525 92.674,77.425 97.274,77.425 98.225,76.475 159.738,76.475 177.685,58.527 177.685,53.512 177.874,53.323 177.874,52.959 177.68,52.764 177.68,52.428 v1(177.662,52.411)
  L4 w0.14: v1(177.662,52.411) 177.708,52.457 178.122,52.457 178.192,52.527 179.763,52.527 181.169,51.121 190.229,51.121 191.23,50.12 192.315,50.12 193.193,50.997 193.193,51.348 193.275,51.43 ; J8.6@194.313,51.43 193.275,51.43 ; R162.2@198.006,51.587 197.786,51.807 197.786,51.863 197.704,51.945 196.161,51.945 195.666,52.44 193.895,52.44 193.193,51.738 193.193,51.512 193.275,51.43
EEM_IO.LVDS_N2: IC4A.2 J8.9 R163.2 | length 128.2
  L1 w0.14: IC4A.2@92.281,76.025 92.574,76.025 92.674,75.925 93.482,75.925 94.329,75.078 97.457,75.078 98.561,73.974 159.782,73.974 171.42,62.336 171.42,50.978 172.039,50.359 173.446,50.359 173.455,50.368 175.025,50.368 175.034,50.359 176.1,50.359 177.639,48.82 177.639,48.293 177.876,48.056 v1(177.876,48.031)
  L4 w0.14: v1(177.876,48.031) 177.541,48.366 177.541,48.587 177.623,48.669 177.793,48.669 177.898,48.565 188.189,48.565 189.233,47.52 192.34,47.52 192.543,47.723 192.728,47.723 192.879,47.572 192.879,47.456 ; J8.9@191.773,46.35 192.879,47.456 ; R163.2@198.158,47.346 198.158,47.366 197.863,47.66 195.872,47.66 195.792,47.58 194.03,47.58 193.736,47.286 193.165,47.286 192.995,47.456 192.879,47.456
EEM_IO.LVDS_N3: IC4A.7 J8.12 R164.2 | length 132.3
  L1 w0.14: IC4A.7@92.281,78.525 92.574,78.525 92.674,78.425 160.328,78.425 178.938,59.814 178.938,45.367 178.907,45.336 178.907,45.22 179.121,45.006 v1(179.121,44.958)
  L4 w0.14: v1(179.121,44.958) 179.121,44.933 178.883,44.696 178.883,44.467 178.965,44.385 179.369,44.385 179.581,44.598 181.116,44.598 181.638,45.12 192.315,45.12 193.193,44.243 193.193,43.892 193.275,43.81 ; J8.12@194.313,43.81 193.275,43.81 ; R164.2@198.209,43.053 198.209,43.033 197.909,42.733 193.961,42.733 193.193,43.502 193.193,43.728 193.275,43.81
EEM_IO.LVDS_N4: IC4A.10 J8.15 R167.2 | length 138.2
  L1 w0.14: IC4A.10@92.281,80.025 92.574,80.025 92.674,79.925 93.383,79.925 93.686,80.228 161.522,80.228 180.386,61.364 180.386,41.864 180.687,41.563 180.884,41.563 181.079,41.369 181.415,41.369 v1(181.432,41.351)
  L4 w0.14: v1(181.432,41.351) 181.335,41.351 181.124,41.562 180.928,41.562 180.833,41.657 180.833,41.773 180.922,41.862 181.776,41.862 181.801,41.837 188.338,41.837 190.334,39.841 192.281,39.841 192.474,40.034 192.797,40.034 192.879,39.952 192.879,39.836 ; J8.15@191.773,38.73 192.879,39.836 ; R167.2@198.26,39.218 198.26,39.238 197.96,39.538 196.056,39.538 195.794,39.8 193.663,39.8 193.529,39.666 193.165,39.666 192.995,39.836 192.879,39.836
EEM_IO.LVDS_N5: IC13.11 J8.18 R168.2 | length 188.9
  L1 w0.14: IC13.11@37.237,22.606 36.893,22.606 36.794,22.706 35.382,22.706 34.925,22.248 34.925,17.176 35.49,16.612 74.455,16.612 86.845,29.002 170.076,29.002 171.579,27.499 179.432,27.499 179.441,27.508 186.825,27.508 187.819,28.502 187.819,28.996 v1(187.782,29.032)
  L4 w0.14: v1(187.782,29.032) 187.782,29.057 188.02,29.294 188.02,32.536 187.939,32.616 187.939,36.192 189.258,37.511 192.305,37.511 193.193,36.623 193.193,36.272 193.275,36.19 ; J8.18@194.313,36.19 193.275,36.19 ; R168.2@198.387,36.83 198.387,36.81 198.087,36.51 196.546,36.51 195.216,35.18 193.895,35.18 193.193,35.882 193.193,36.108 193.275,36.19
EEM_IO.LVDS_N6: IC11.15 J8.21 R169.2 | length 160.6
  L1 w0.14: IC11.15@50.514,20.381 50.514,20.037 50.414,19.937 50.414,19.69 50.724,19.38 71.882,19.38 84.628,32.126 172.083,32.126 172.435,32.479 177.241,32.479 178.61,31.11 188.542,31.11 189.552,30.1 192.191,30.1 192.783,30.692 192.783,31.517 193.077,31.811 193.077,32.134 192.995,32.216 192.879,32.216 J8.21@191.773,31.11
  L4 w0.14: J8.21@191.773,31.11 192.879,32.216 192.995,32.216 193.165,32.046 193.529,32.046 193.663,32.18 196.01,32.18 196.018,32.172 198.138,32.172 198.437,31.872 R169.2@198.437,31.852
EEM_IO.LVDS_N7: IC11.11 J8.24 R170.2 | length 162.2
  L1 w0.14: IC11.11@48.514,20.381 48.514,20.037 48.414,19.937 48.414,19.69 50.019,18.085 73.127,18.085 85.263,30.221 172.378,30.221 172.56,30.039 176.963,30.039 178.3,28.702 186.069,28.702 186.312,28.944 186.312,29.06 186.205,29.167 185.869,29.167 v1(185.852,29.185)
  L4 w0.14: v1(185.852,29.185) 185.921,29.116 186.269,29.116 186.478,28.908 186.478,28.527 187.505,27.499 190.153,27.499 190.392,27.26 192.315,27.26 193.193,28.137 193.193,28.488 193.275,28.57 ; J8.24@194.313,28.57 193.275,28.57 ; R170.2@198.26,28.194 198.26,28.214 197.96,28.514 196.464,28.514 195.398,29.58 193.895,29.58 193.193,28.878 193.193,28.652 193.275,28.57
EEM_IO.LVDS_N8: IC5B.5 J9.3 R171.2 | length 106.7
  L1 w0.14: IC5B.5@82.252,64.222 82.172,64.142 82.172,63.805 82.152,63.785 82.152,63.587 82.234,63.505 88.738,63.505 88.834,63.602 161.231,63.602 161.286,63.656 161.561,63.656 161.799,63.894 v1(161.823,63.894)
  L4 w0.14: v1(161.823,63.894) 161.799,63.894 161.561,63.656 160.913,63.656 160.6,63.344 160.6,62.694 168.57,54.725 172.331,54.725 172.745,55.139 173.57,55.139 173.704,55.273 174.027,55.273 174.109,55.191 174.109,55.075 ; J9.3@173.003,53.969 174.109,55.075 ; R171.2@179.032,54.889 179.032,54.909 178.732,55.209 176.902,55.209 176.891,55.199 175.26,55.199 174.966,54.905 174.395,54.905 174.225,55.075 174.109,55.075
EEM_IO.LVDS_N9: IC4B.5 J9.6 R172.2 | length 91.3
  L1 w0.14: IC4B.5@92.637,57.637 92.93,57.637 93.03,57.537 97.221,57.537 97.993,56.764 159.872,56.764 160.934,55.702 162.483,55.702 162.488,55.706 163.847,55.706 164.085,55.944 v1(164.109,55.944)
  L4 w0.14: v1(164.109,55.944) 164.134,55.944 164.371,55.706 164.647,55.706 164.651,55.702 164.991,55.702 167.794,52.899 173.386,52.899 174.423,51.862 174.423,51.511 174.505,51.429 ; J9.6@175.543,51.429 174.505,51.429 ; R172.2@179.006,50.927 179.006,50.907 178.707,50.607 177.123,50.607 176.935,50.419 175.125,50.419 174.423,51.121 174.423,51.347 174.505,51.429
EEM_IO.LVDS_N10: IC4B.2 J9.9 R173.2 | length 95.4
  L1 w0.14: IC4B.2@92.637,56.137 92.93,56.137 93.03,56.037 93.838,56.037 94.685,55.189 158.442,55.189 161.027,52.605 163.593,52.605 163.726,52.738 164.015,52.738 v1(164.084,52.807)
  L4 w0.14: v1(164.084,52.807) 163.473,52.807 163.013,52.347 163.013,51.972 163.752,51.233 166.597,51.233 167.894,49.937 171.743,49.937 172.082,49.598 172.082,49.482 171.933,49.332 171.933,47.419 J9.9@173.003,46.349 174.109,47.455 174.225,47.455 174.395,47.285 174.759,47.285 174.893,47.419 176.21,47.419 177.117,46.512 178.127,46.512 178.376,46.761 R173.2@178.905,46.761
EEM_IO.LVDS_N11: IC4B.7 J9.12 R174.2 | length 101
  L1 w0.14: IC4B.7@92.637,58.637 92.93,58.637 93.03,58.537 161.592,58.537 161.826,58.302 162.019,58.302 162.521,57.8 162.521,57.387 162.759,57.149 v1(162.759,57.125)
  L4 w0.14: v1(162.759,57.125) 162.759,57.1 162.521,56.863 162.521,56.561 162.431,56.47 162.431,52.595 162.282,52.447 162.282,48.149 165.007,45.424 170.672,45.424 170.901,45.195 170.977,45.119 173.546,45.119 174.423,44.242 174.423,43.891 174.505,43.809 ; J9.12@175.543,43.809 174.505,43.809 ; R174.2@178.994,42.723 178.994,42.703 178.694,42.403 176.346,42.403 175.95,42.799 175.125,42.799 174.423,43.501 174.423,43.727 174.505,43.809
EEM_IO.LVDS_N12: IC4B.10 J9.15 R175.2 | length 107.8
  L1 w0.14: IC4B.10@92.637,60.137 92.93,60.137 93.03,60.037 93.739,60.037 94.042,60.34 159.585,60.34 160.178,59.748 160.779,59.748 160.861,59.83 160.861,59.971 160.593,60.24 160.169,60.24 v1(160.147,60.262)
  L4 w0.14: v1(160.147,60.262) 160.169,60.24 160.496,60.24 160.914,59.822 160.914,46.045 164.292,42.667 171.392,42.667 172.082,41.978 172.082,41.862 171.933,41.712 171.933,39.799 J9.15@173.003,38.729 174.109,39.835 174.225,39.835 174.395,39.665 174.759,39.665 174.893,39.799 176.776,39.799 177.05,39.525 178.719,39.525 179.006,39.238 R175.2@179.006,39.218
EEM_IO.LVDS_N13: IC9.1 J9.18 R51.1 R176.2 | length 118.8
  L1 w0.14: IC9.1@71.966,23.444 72.441,23.444 72.671,23.674 72.671,23.828 72.753,23.91 72.869,23.91 72.872,23.906 73.132,23.906 R51.1@73.268,23.771 ; R51.1@73.508,23.533 73.528,23.533 73.748,23.753 73.748,23.771 73.83,23.853 74.323,23.853 84.358,33.888 165.483,33.888 165.5,33.905 165.651,33.905 165.888,33.667 v1(165.913,33.667)
  L4 w0.14: v1(165.913,33.667) 165.888,33.667 165.651,33.905 165.261,33.905 164.73,34.436 164.73,35.487 166.742,37.499 173.546,37.499 174.423,36.622 174.423,36.271 174.505,36.189 ; J9.18@175.543,36.189 174.505,36.189 ; R176.2@179.006,35.585 179.006,35.565 178.719,35.278 177.079,35.278 176.979,35.179 175.125,35.179 174.423,35.881 174.423,36.107 174.505,36.189
EEM_IO.LVDS_N14: IC9.4 J9.21 R53.1 R177.2 | length 120.5
  L1 w0.14: IC9.4@71.966,27.254 72.384,27.254 72.614,27.024 72.614,26.851 72.696,26.769 73.236,26.769 73.318,26.851 73.318,26.869 73.538,27.089 R53.1@73.558,27.089 73.578,27.089 73.798,26.869 73.798,26.851 73.88,26.769 74.078,26.769 83.601,36.292 167.536,36.292 167.827,36.001 167.918,36.001 168.094,35.825 168.429,35.825 v1(168.447,35.808)
  L4 w0.14: v1(168.447,35.808) 168.358,35.808 168.077,36.089 167.374,36.089 167.085,35.8 167.085,34.565 168.236,33.415 169.756,33.415 170.78,34.44 172,34.44 172.082,34.358 172.082,34.242 171.933,34.092 171.933,32.179 J9.21@173.003,31.109 174.109,32.215 174.225,32.215 174.395,32.045 174.759,32.045 174.893,32.179 176.865,32.179 176.987,32.057 178.745,32.057 179.032,31.77 R177.2@179.032,31.75
EEM_IO.LVDS_N15: J9.24 R36.2 R42.2 R144.1 | length 47
  L1 w0.14: R42.2@147.917,6.325 v1@148.615,6.325 ; v1(148.615,6.217) 148.627,6.217 148.865,5.979 149.065,5.979 149.365,6.279 R36.2@149.365,6.299
  L4 w0.14: v1(148.615,6.217) 148.591,6.217 148.353,5.979 147.93,5.979 147.803,6.106 147.803,6.629 148.158,6.985 151.686,6.985 166.882,22.181 166.882,24.393 169.748,27.259 173.545,27.259 174.423,28.136 174.423,28.487 174.505,28.569 ; J9.24@175.543,28.569 174.505,28.569 ; R144.1@179.057,29.108 178.837,29.328 178.837,29.356 178.755,29.438 177.118,29.438 176.978,29.579 175.125,29.579 174.423,28.877 174.423,28.651 174.505,28.569
EEM_IO.LVDS_P0: IC5A.6 J8.2 R145.2 | length 139
  L1 w0.14: IC5A.6@81.396,84.11 81.476,84.03 81.476,83.693 81.496,83.673 81.496,83.351 81.754,83.093 88.506,83.093 88.603,83.19 160.251,83.19 171.584,71.858 180.721,62.72 180.721,54.037 180.963,53.794 180.963,53.644 180.833,53.514 v1(180.833,53.416)
  L4 w0.14: v1(180.833,53.416) 180.826,53.424 180.826,53.856 180.916,53.946 180.916,54.195 182.668,55.947 189.917,55.947 190.424,55.44 192.216,55.44 192.419,55.643 192.852,55.643 193.091,55.404 193.207,55.404 ; J8.2@194.313,56.51 193.207,55.404 ; R145.2@197.815,55.855 197.595,55.635 197.595,55.591 197.513,55.509 195.553,55.509 195.545,55.5 193.905,55.5 193.611,55.206 193.289,55.206 193.207,55.288 193.207,55.404
EEM_IO.LVDS_P1: IC4A.4 J8.5 R146.2 | length 123.6
  L1 w0.14: IC4A.4@92.281,77.025 92.574,77.025 92.674,77.125 97.15,77.125 98.1,76.175 159.614,76.175 177.385,58.403 177.385,53.388 177.574,53.199 177.574,53.083 177.467,52.976 177.132,52.976 v1(177.114,52.959)
  L4 w0.14: v1(177.114,52.959) 178.06,52.959 178.192,52.827 179.888,52.827 181.294,51.421 190.353,51.421 191.355,50.42 192.191,50.42 192.893,51.122 192.893,51.348 192.811,51.43 ; J8.5@191.773,51.43 192.811,51.43 ; R146.2@198.006,52.603 197.786,52.383 197.786,52.327 197.704,52.245 196.285,52.245 195.791,52.74 193.77,52.74 192.893,51.863 192.893,51.512 192.811,51.43